# Allegro board 8880F5-0827_6.brd (continued)
## Routing (per net, layer and track width the routed paths; a pad name or vN(x,y) marks a point on that pad's centre or on a via; arc(x,y) is an arc through that point) (continued)
125.27,96.52 ; D129.A16 123.65,96.52 ; D129.A16 124.46,97.33 ; D129.A16 124.46,95.71 ; D130.B7 102.41,78.74 ; D130.B7 101.6,79.55 ; D130.B7 101.6,77.93 ; D130.B7 100.79,78.74 ; D103.B1 307.34,59.23 ; D103.B1 308.15,58.42 ; D103.B1 307.34,57.61 ; D103.B1 306.53,58.42 ; 166.93,91.44 D317.B4 ; D317.B4 167.64,92.15 ; D317.B4 167.64,90.73 ; D317.B4 168.35,91.44 ; 159.21,73.66 D118.A1 ; D118.A1 160.02,74.47 ; D118.A1 160.83,73.66 ; D118.A1 160.02,72.85 ; 185.42,339.55 CSDPS429.C7 ; CSDPS429.C7 186.23,340.36 ; CSDPS429.C7 184.61,340.36 ; CSDPS429.C7 185.42,341.17 ; DPS1.A01 381,14.78 ; DPS1.A01 381.81,13.97 ; DPS1.A01 381,13.16 ; DPS1.A01 380.19,13.97 ; 268.43,340.36 CSDPS425.C3 ; CSDPS425.C3 270.05,340.36 ; CSDPS425.C3 269.24,339.55 ; CSDPS425.C3 269.24,341.17 ; 255.73,60.96 D123.B10 ; D123.B10 256.54,60.15 ; D123.B10 256.54,61.77 ; D123.B10 257.35,60.96 ; 118.57,96.52 D129.A14 ; D129.A14 119.38,95.71 ; D129.A14 119.38,97.33 ; D129.A14 120.19,96.52 ; 320.04,326.85 D113.B12 ; D113.B12 320.85,327.66 ; D113.B12 320.04,328.47 ; D113.B12 319.23,327.66 ; 108.41,101.6 D129.B10 ; D129.B10 109.22,102.41 ; D129.B10 110.03,101.6 ; D129.B10 109.22,100.79 ; D123.A14 267.51,55.88 ; D123.A14 266.7,56.69 ; D123.A14 265.89,55.88 ; D123.A14 266.7,55.07 ; 386.08,52.53 D107.A3 ; D107.A3 386.89,53.34 ; D107.A3 386.08,54.15 ; D107.A3 385.27,53.34 ; D123.B8 252.27,60.96 ; D123.B8 251.46,61.77 ; D123.B8 251.46,60.15 ; D123.B8 250.65,60.96 ; D118.B12 187.96,82.09 ; D118.B12 187.96,80.47 ; D118.B12 187.15,81.28 ; D118.B12 188.77,81.28 ; 396.24,67.87 D306.B7 ; D306.B7 396.95,68.58 ; D306.B7 395.53,68.58 ; D306.B7 396.24,69.29 ; 243.13,68.58 D322.B5 ; D322.B5 243.84,67.87 ; D322.B5 243.84,69.29 ; D322.B5 244.55,68.58 ; D107.A4 388.62,56.69 ; D107.A4 387.81,55.88 ; D107.A4 389.43,55.88 ; D107.A4 388.62,55.07 ; D112.A11 396.24,397.05 ; D112.A11 397.05,396.24 ; D112.A11 395.43,396.24 ; D112.A11 396.24,395.43 ; 321.77,391.16 D116.B11 ; D116.B11 322.58,391.97 ; D116.B11 322.58,390.35 ; D116.B11 323.39,391.16 ; D104.B5 318.31,38.1 ; D104.B5 316.69,38.1 ; D104.B5 317.5,38.91 ; D104.B5 317.5,37.29 ; 329.39,35.56 D104.A10 ; D104.A10 330.2,36.37 ; D104.A10 331.01,35.56 ; D104.A10 330.2,34.75 ; D108.A10 404.67,35.56 ; D108.A10 403.86,34.75 ; D108.A10 403.05,35.56 ; D108.A10 403.86,36.37 ; D111.A2 419.91,373.38 ; D111.A2 419.1,374.19 ; D111.A2 419.1,372.57 ; D111.A2 418.29,373.38 ; 386.08,375.11 D111.A15 ; D111.A15 385.27,375.92 ; D111.A15 386.08,376.73 ; D111.A15 386.89,375.92 ; D317.A16 198.12,87.07 ; D317.A16 198.83,86.36 ; D317.A16 198.12,85.65 ; D317.A16 197.41,86.36 ; D301.B7 322.58,89.61 ; D301.B7 322.58,88.19 ; D301.B7 323.29,88.9 ; D301.B7 321.87,88.9 ; 240.59,66.04 D322.A4 ; D322.A4 241.3,66.75 ; D322.A4 242.01,66.04 ; D322.A4 241.3,65.33 ; D103.A6 320.04,56.69 ; D103.A6 319.23,55.88 ; D103.A6 320.04,55.07 ; D103.A6 320.85,55.88 ; 332.74,88.19 D301.B11 ; D301.B11 332.74,89.61 ; D301.B11 332.03,88.9 ; D301.B11 333.45,88.9 ; CSDPS425.B10 251.46,343.71 ; CSDPS425.B10 251.46,342.09 ; CSDPS425.B10 252.27,342.9 ; CSDPS425.B10 250.65,342.9 ; D127.B5 23.67,58.42 ; D127.B5 22.86,59.23 ; D127.B5 22.86,57.61 ; D127.B5 22.05,58.42 ; 20.32,100.79 D125.B4 ; D125.B4 20.32,102.41 ; D125.B4 19.51,101.6 ; D125.B4 21.13,101.6 ; D111.B4 414.02,369.11 ; D111.B4 414.83,368.3 ; D111.B4 413.21,368.3 ; D111.B4 414.02,367.49 ; SITE2.G11 332.81,247.93 ; SITE2.G11 331.85,247.93 ; SITE2.G11 332.33,247.45 ; SITE2.G11 332.33,248.41 ; D114.B12 320.85,347.98 ; D114.B12 320.04,348.79 ; D114.B12 320.04,347.17 ; D114.B12 319.23,347.98 ; 398.78,70.41 D306.B8 ; D306.B8 398.78,71.83 ; D306.B8 398.07,71.12 ; D306.B8 399.49,71.12 ; 395.53,88.9 D305.B7 ; D305.B7 396.24,89.61 ; D305.B7 396.24,88.19 ; D305.B7 396.95,88.9 ; SITE3.G14 250.23,183.31 ; SITE3.G14 249.75,182.83 ; SITE3.G14 250.71,182.83 ; SITE3.G14 250.23,182.35 ; SITE1.G15 251.43,243.31 ; SITE1.G15 251.43,242.35 ; SITE1.G15 250.95,242.83 ; SITE1.G15 251.91,242.83 ; D113.A10 325.12,333.55 ; D113.A10 325.12,331.93 ; D113.A10 324.31,332.74 ; D113.A10 325.93,332.74 ; D129.A7 102.41,93.98 ; D129.A7 100.79,93.98 ; D129.A7 101.6,94.79 ; D129.A7 101.6,93.17 ; D111.A8 403.86,374.19 ; D111.A8 403.86,372.57 ; D111.A8 404.67,373.38 ; D111.A8 403.05,373.38 ; 387.91,86.36 D305.A4 ; D305.A4 388.62,87.07 ; D305.A4 388.62,85.65 ; D305.A4 389.33,86.36 ; D306.A7 396.24,64.21 ; D306.A7 396.95,63.5 ; D306.A7 396.24,62.79 ; D306.A7 395.53,63.5 ; 243.84,329.39 CSDPS225.C13 ; CSDPS225.C13 243.84,331.01 ; CSDPS225.C13 243.03,330.2 ; CSDPS225.C13 244.65,330.2 ; 504.95,202.51 S2_I2C.4 ; S2_I2C.4 505.89,203.45 ; S2_I2C.4 504.01,203.45 ; S2_I2C.4 504.95,204.39 ; 393.7,372.57 D111.A12 ; D111.A12 392.89,373.38 ; D111.A12 393.7,374.19 ; D111.A12 394.51,373.38 ; D103.A1 307.34,54.15 ; D103.A1 306.53,53.34 ; D103.A1 308.15,53.34 ; D103.A1 307.34,52.53 ; DPS3.A01 234.49,13.97 ; DPS3.A01 233.68,14.78 ; DPS3.A01 233.68,13.16 ; DPS3.A01 232.87,13.97 ; 263.45,68.58 D322.B13 ; D322.B13 264.16,67.87 ; D322.B13 264.87,68.58 ; D322.B13 264.16,69.29 ; 48.26,77.93 D126.B15 ; D126.B15 49.07,78.74 ; D126.B15 47.45,78.74 ; D126.B15 48.26,79.55 ; 391.16,77.93 D106.B5 ; D106.B5 391.97,78.74 ; D106.B5 391.16,79.55 ; D106.B5 390.35,78.74 ; 309.88,387.81 D116.B16 ; D116.B16 309.88,389.43 ; D116.B16 309.07,388.62 ; D116.B16 310.69,388.62 ; D129.B8 104.95,101.6 ; D129.B8 104.14,100.79 ; D129.B8 103.33,101.6 ; D129.B8 104.14,102.41 ; D122.A5 244.65,73.66 ; D122.A5 243.84,74.47 ; D122.A5 243.03,73.66 ; D122.A5 243.84,72.85 ; 259.08,72.85 D122.A11 ; D122.A11 259.08,74.47 ; D122.A11 258.27,73.66 ; D122.A11 259.89,73.66 ; DPS3.C11 259.08,19.86 ; DPS3.C11 258.27,19.05 ; DPS3.C11 259.08,18.24 ; DPS3.C11 259.89,19.05 ; D119.B12 188.77,60.96 ; D119.B12 187.15,60.96 ; D119.B12 187.96,61.77 ; D119.B12 187.96,60.15 ; 410.67,375.92 D111.A5 ; D111.A5 411.48,376.73 ; D111.A5 411.48,375.11 ; D111.A5 412.29,375.92 ; D123.A16 272.59,55.88 ; D123.A16 270.97,55.88 ; D123.A16 271.78,55.07 ; D123.A16 271.78,56.69 ; SITE3.G11 252.81,187.93 ; SITE3.G11 251.85,187.93 ; SITE3.G11 252.33,188.41 ; SITE3.G11 252.33,187.45 ; 98.25,101.6 D129.B6 ; D129.B6 99.06,102.41 ; D129.B6 99.87,101.6 ; D129.B6 99.06,100.79 ; D108.A7 397.05,33.02 ; D108.A7 396.24,32.21 ; D108.A7 396.24,33.83 ; D108.A7 395.43,33.02 ; D112.B10 398.78,389.43 ; D112.B10 398.78,387.81 ; D112.B10 397.97,388.62 ; D112.B10 399.59,388.62 ; D113.A16 309.88,333.55 ; D113.A16 309.07,332.74 ; D113.A16 310.69,332.74 ; D113.A16 309.88,331.93 ; 339.55,368.3 D115.B4 ; D115.B4 340.36,369.11 ; D115.B4 341.17,368.3 ; D115.B4 340.36,367.49 ; 410.67,335.28 D109.A5 ; D109.A5 412.29,335.28 ; D109.A5 411.48,334.47 ; D109.A5 411.48,336.09 ; 160.02,370.03 D231.B17 ; D231.B17 160.02,371.65 ; D231.B17 159.21,370.84 ; D231.B17 160.83,370.84 ; D132.A14 119.38,36.37 ; D132.A14 118.57,35.56 ; D132.A14 119.38,34.75 ; D132.A14 120.19,35.56 ; D106.A3 386.08,74.47 ; D106.A3 385.27,73.66 ; D106.A3 386.89,73.66 ; D106.A3 386.08,72.85 ; D119.B3 165.91,58.42 ; D119.B3 164.29,58.42 ; D119.B3 165.1,57.61 ; D119.B3 165.1,59.23 ; 311.61,335.28 D113.A15 ; D113.A15 312.42,336.09 ; D113.A15 313.23,335.28 ; D113.A15 312.42,334.47 ; 265.99,71.12 D322.B14 ; D322.B14 267.41,71.12 ; D322.B14 266.7,71.83 ; D322.B14 266.7,70.41 ; D318.A7 175.97,63.5 ; D318.A7 175.26,62.79 ; D318.A7 174.55,63.5 ; D318.A7 175.26,64.21 ; 174.55,68.58 D318.B7 ; D318.B7 175.26,67.87 ; D318.B7 175.26,69.29 ; D318.B7 175.97,68.58 ; 167.64,382.73 D431.A14 ; D431.A14 168.45,383.54 ; D431.A14 167.64,384.35 ; D431.A14 166.83,383.54 ; 314.25,71.12 D302.B4 ; D302.B4 314.96,71.83 ; D302.B4 314.96,70.41 ; D302.B4 315.67,71.12 ; D231.A4 193.85,373.38 ; D231.A4 193.04,374.19 ; D231.A4 193.04,372.57 ; D231.A4 192.23,373.38 ; D128.A1 13.51,33.02 ; D128.A1 12.7,33.83 ; D128.A1 11.89,33.02 ; D128.A1 12.7,32.21 ; 331.93,33.02 D104.A11 ; D104.A11 332.74,32.21 ; D104.A11 332.74,33.83 ; D104.A11 333.55,33.02 ; CSDPS225.C11 249.73,330.2 ; CSDPS225.C11 248.11,330.2 ; CSDPS225.C11 248.92,331.01 ; CSDPS225.C11 248.92,329.39 ; DPS2.C01 347.98,411.02 ; DPS2.C01 348.79,410.21 ; DPS2.C01 347.17,410.21 ; DPS2.C01 347.98,409.4 ; 238.76,88.19 D321.B3 ; D321.B3 238.05,88.9 ; D321.B3 239.47,88.9 ; D321.B3 238.76,89.61 ; SITE2.G6 333.33,241.81 ; SITE2.G6 333.81,241.33 ; SITE2.G6 333.33,240.85 ; SITE2.G6 332.85,241.33 ; 387.81,373.38 D111.A14 ; D111.A14 388.62,372.57 ; D111.A14 388.62,374.19 ; D111.A14 389.43,373.38 ; 324.31,353.06 D114.A10 ; D114.A10 325.12,352.25 ; D114.A10 325.12,353.87 ; D114.A10 325.93,353.06 ; D305.B1 381.71,88.9 ; D305.B1 381,89.61 ; D305.B1 380.29,88.9 ; D305.B1 381,88.19 ; 321.77,53.34 D103.A7 ; D103.A7 322.58,52.53 ; D103.A7 322.58,54.15 ; D103.A7 323.39,53.34 ; D128.A10 36.37,35.56 ; D128.A10 35.56,34.75 ; D128.A10 34.75,35.56 ; D128.A10 35.56,36.37 ; 397.97,373.38 D111.A10 ; D111.A10 398.78,372.57 ; D111.A10 399.59,373.38 ; D111.A10 398.78,374.19 ; D116.B5 338.63,391.16 ; D116.B5 337.82,390.35 ; D116.B5 337.82,391.97 ; D116.B5 337.01,391.16 ; DPS8.A11 176.07,415.29 ; DPS8.A11 174.45,415.29 ; DPS8.A11 175.26,414.48 ; DPS8.A11 175.26,416.1 ; D322.B2 236.93,71.12 ; D322.B2 236.22,71.83 ; D322.B2 235.51,71.12 ; D322.B2 236.22,70.41 ; 332.85,247.93 SITE2.G12 ; SITE2.G12 333.33,247.45 ; SITE2.G12 333.33,248.41 ; SITE2.G12 333.81,247.93 ; DPS2.C11 323.39,410.21 ; DPS2.C11 322.58,411.02 ; DPS2.C11 322.58,409.4 ; DPS2.C11 321.77,410.21 ; D302.B8 325.12,71.83 ; D302.B8 325.12,70.41 ; D302.B8 324.41,71.12 ; D302.B8 325.83,71.12 ; D111.B5 411.48,371.65 ; D111.B5 410.67,370.84 ; D111.B5 412.29,370.84 ; D111.B5 411.48,370.03 ; CSDPS429.B16 162.56,343.71 ; CSDPS429.B16 162.56,342.09 ; CSDPS429.B16 163.37,342.9 ; CSDPS429.B16 161.75,342.9 ; 253.19,58.42 D123.B9 ; D123.B9 254.81,58.42 ; D123.B9 254,59.23 ; D123.B9 254,57.61 ; 232.87,58.42 D123.B1 ; D123.B1 233.68,59.23 ; D123.B1 233.68,57.61 ; D123.B1 234.49,58.42 ; 307.34,67.87 D302.B1 ; D302.B1 308.05,68.58 ; D302.B1 307.34,69.29 ; D302.B1 306.63,68.58 ; 189.69,38.1 D120.B13 ; D120.B13 191.31,38.1 ; D120.B13 190.5,38.91 ; D120.B13 190.5,37.29 ; 335.28,372.57 D115.A6 ; D115.A6 335.28,374.19 ; D115.A6 336.09,373.38 ; D115.A6 334.47,373.38 ; D306.A8 399.49,66.04 ; D306.A8 398.78,66.75 ; D306.A8 398.07,66.04 ; D306.A8 398.78,65.33 ; UNK3U1.4 97.29,162.79 ; UNK3U1.4 97.29,160.91 ; UNK3U1.4 98.23,161.85 ; UNK3U1.4 96.35,161.85 ; 50.8,100.79 D125.B16 ; D125.B16 51.61,101.6 ; D125.B16 49.99,101.6 ; D125.B16 50.8,102.41 ; 413.21,347.98 D110.B4 ; D110.B4 414.02,347.17 ; D110.B4 414.02,348.79 ; D110.B4 414.83,347.98 ; D322.A7 248.92,64.21 ; D322.A7 248.92,62.79 ; D322.A7 249.63,63.5 ; D322.A7 248.21,63.5 ; 177.8,342.09 CSDPS429.B10 ; CSDPS429.B10 178.61,342.9 ; CSDPS429.B10 177.8,343.71 ; CSDPS429.B10 176.99,342.9 ; D108.A13 412.29,33.02 ; D108.A13 411.48,32.21 ; D108.A13 411.48,33.83 ; D108.A13 410.67,33.02 ; 269.24,18.24 DPS3.C15 ; DPS3.C15 269.24,19.86 ; DPS3.C15 268.43,19.05 ; DPS3.C15 270.05,19.05 ; 194.77,375.92 D231.A3 ; D231.A3 195.58,376.73 ; D231.A3 195.58,375.11 ; D231.A3 196.39,375.92 ; D112.B13 391.97,391.16 ; D112.B13 390.35,391.16 ; D112.B13 391.16,391.97 ; D112.B13 391.16,390.35 ; D431.B11 176.07,381 ; D431.B11 175.26,381.81 ; D431.B11 174.45,381 ; D431.B11 175.26,380.19 ; D112.B12 393.7,389.43 ; D112.B12 392.89,388.62 ; D112.B12 393.7,387.81 ; D112.B12 394.51,388.62 ; 189.69,53.34 D119.A13 ; D119.A13 190.5,52.53 ; D119.A13 190.5,54.15 ; D119.A13 191.31,53.34 ; D113.B6 336.09,327.66 ; D113.B6 335.28,326.85 ; D113.B6 334.47,327.66 ; D113.B6 335.28,328.47 ; 104.14,55.07 D131.A8 ; D131.A8 104.14,56.69 ; D131.A8 104.95,55.88 ; D131.A8 103.33,55.88 ; D104.A13 337.82,33.83 ; D104.A13 337.01,33.02 ; D104.A13 338.63,33.02 ; D104.A13 337.82,32.21 ; D103.A11 332.74,54.15 ; D103.A11 332.74,52.53 ; D103.A11 331.93,53.34 ; D103.A11 333.55,53.34 ; D110.B15 386.89,350.52 ; D110.B15 385.27,350.52 ; D110.B15 386.08,351.33 ; D110.B15 386.08,349.71 ; 332.03,83.82 D301.A11 ; D301.A11 332.74,84.53 ; D301.A11 333.45,83.82 ; D301.A11 332.74,83.11 ; 332.74,72.85 D102.A11 ; D102.A11 331.93,73.66 ; D102.A11 333.55,73.66 ; D102.A11 332.74,74.47 ; 240.49,55.88 D123.A4 ; D123.A4 241.3,56.69 ; D123.A4 242.11,55.88 ; D123.A4 241.3,55.07 ; 172.72,65.33 D318.A6 ; D318.A6 172.01,66.04 ; D318.A6 172.72,66.75 ; D318.A6 173.43,66.04 ; D125.B14 46.53,101.6 ; D125.B14 45.72,102.41 ; D125.B14 44.91,101.6 ; D125.B14 45.72,100.79 ; D108.B14 414.83,40.64 ; D108.B14 413.21,40.64 ; D108.B14 414.02,41.45 ; D108.B14 414.02,39.83 ; D120.B12 188.77,40.64 ; D120.B12 187.15,40.64 ; D120.B12 187.96,39.83 ; D120.B12 187.96,41.45 ; 169.37,375.92 D231.A13 ; D231.A13 170.99,375.92 ; D231.A13 170.18,375.11 ; D231.A13 170.18,376.73 ; D127.A14 45.72,56.69 ; D127.A14 46.53,55.88 ; D127.A14 45.72,55.07 ; D127.A14 44.91,55.88 ; DPS2.C15 313.23,410.21 ; DPS2.C15 312.42,409.4 ; DPS2.C15 312.42,411.02 ; DPS2.C15 311.61,410.21 ; D321.B12 262.33,91.44 ; D321.B12 260.91,91.44 ; D321.B12 261.62,92.15 ; D321.B12 261.62,90.73 ; D102.A10 331.01,76.2 ; D10